# Altium PCB Steezy60SMK.PcbDoc (part 2 of 3)
Units mm, origin at the board's own origin, x right, y up, seen from the top; angles counter-clockwise.
Board outline 284.73 x 94.2 mm, 2 copper layers (Component Side, Bottom Layer), stack 1.571 mm thick; 204 components, 132 nets, 1159 pads, 251 vias.
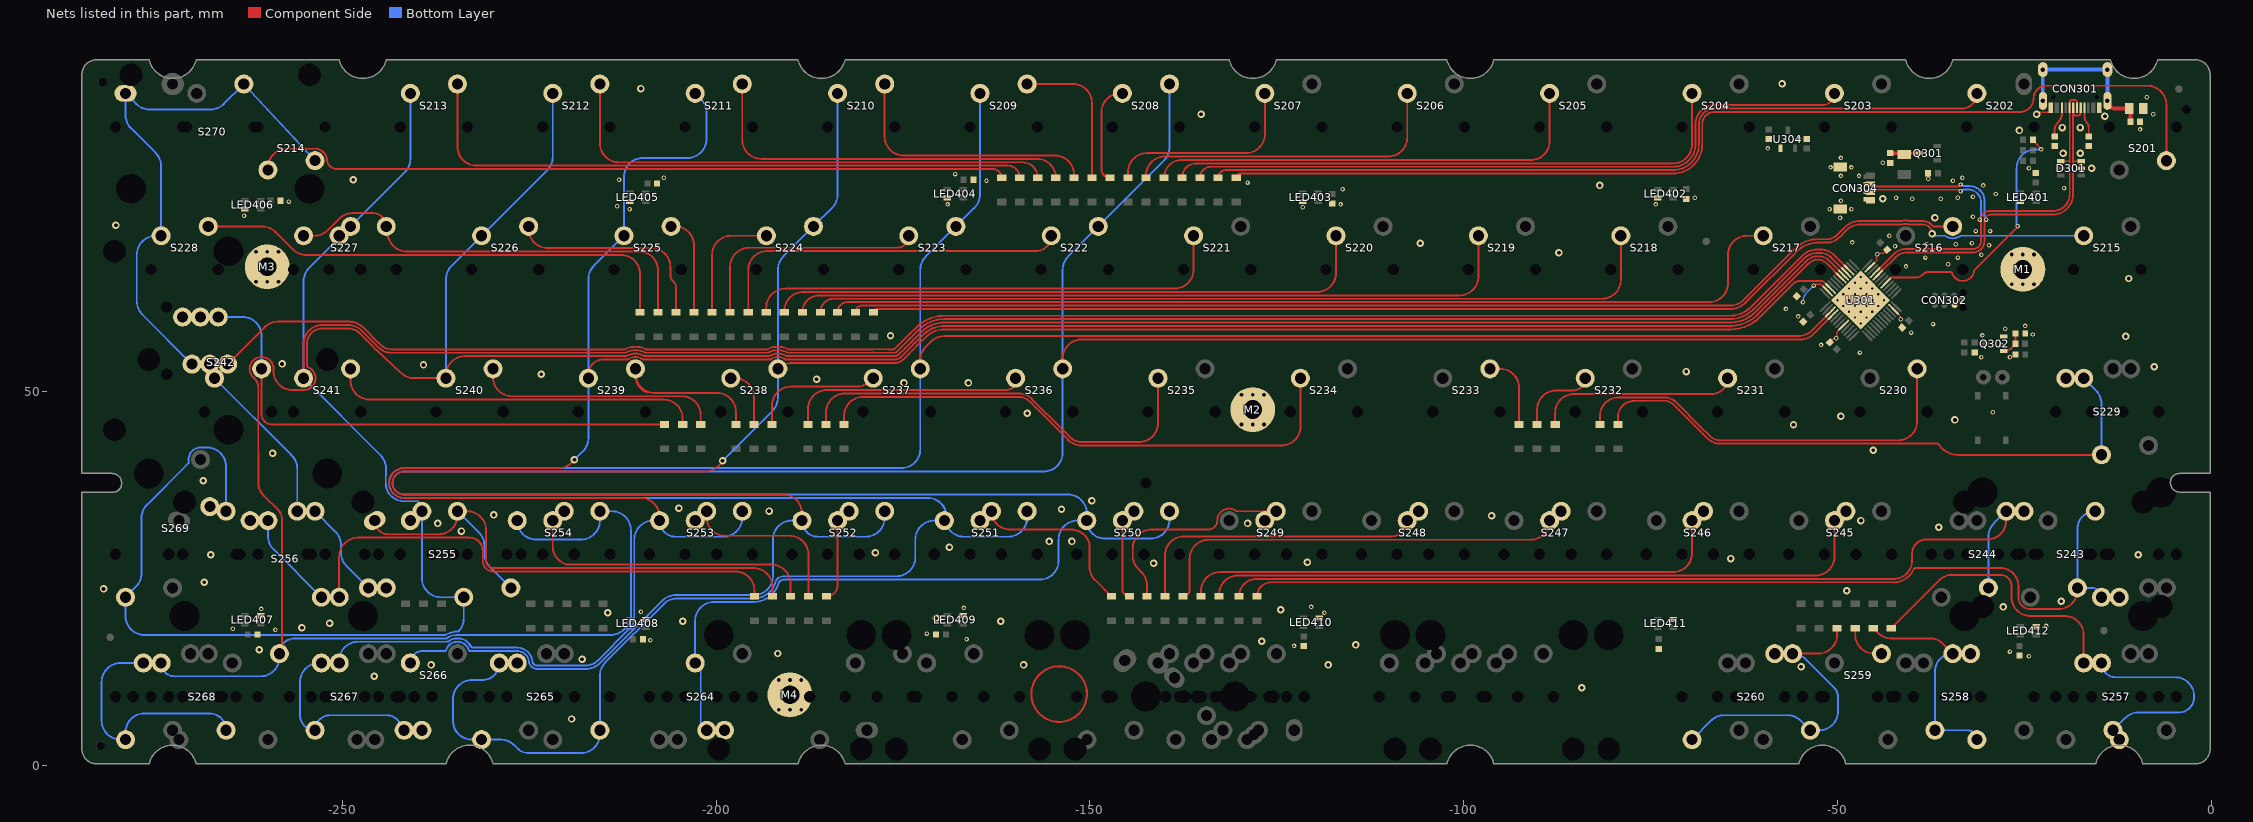
[diagram p2: the nets of this part, all layers, seen from the top]

## Via types
v1: diameter 0.6, hole 0.3, Component Side to Bottom Layer, tented both sides, 127 vias
v2: diameter 1, hole 0.5, Component Side to Bottom Layer, tented both sides, 99 vias
v3: diameter 0.6, hole 0.3, Component Side to Bottom Layer, tented bottom, 25 vias

## Nets (pads, with @x,y where several pads share a name; then routed paths per layer and width w, separated by ;. In a path a pad name is that pad's centre, name@x,y a point inside that pad or via, vN(x,y) a via of type N, cw(c..) or ccw(c..) an arc to the next point about the centre after c; other vN are vias at no path point) (continued)
col7: S208.2 S222.2 S236.2 S250.2 S264.2 U301.4 | length 441.5
  Component Side w0.254: S236.2@-153.638,53.065 -153.638,54.445 cw(c-151.098,54.445) -151.098,56.985 -147.447,56.985 -105.41,56.985 -103.505,56.985 -103.505,56.988 -54.973,56.988 ccw(c-54.973,59.528) -53.177,57.732 U301.4@-50.761,60.147
  Bottom Layer w0.254: S264.2@-201.263,4.715 -202.057,5.509 -202.057,12.972 S264.2@-202.8,13.715 -202.8,19.358 cw(c-200.26,19.358) -200.26,21.898 -194.945,21.898 ccw(c-194.945,25.346) -194.307,21.957 ccw(c-194.945,25.346) -192.355,23.07 ccw(c-194.945,25.346) -191.904,23.721 ; -192.071,23.442 ccw(c-194.945,25.346) -191.903,23.722 ccw(c-194.945,25.346) -191.761,24.022 cw(c-191.527,23.925) -191.748,24.05 ccw(c-192.142,24.275) -191.698,24.179 cw(c-191.45,24.125) -191.694,24.196 cw(c-191.45,24.125) -191.69,24.207 cw(c-191.45,24.125) -191.69,24.209 ccw(c-194.945,25.346) -191.616,24.449 cw(c-191.37,24.383) -191.585,24.519 cw(c-190.965,24.13) -190.965,24.862 -156.718,24.862 ccw(c-156.718,27.402) -156.483,24.873 ccw(c-156.718,27.402) -154.189,27.167 ccw(c-156.718,27.402) -154.178,27.402 -154.178,30.225 cw(c-151.638,30.225) -151.638,32.765 S250.2@-150.412,32.765 ; S208.2@-139.35,91.165 -139.35,82.692 cw(c-141.89,82.692) -140.094,80.896 S222.2@-148.875,72.115 -152.894,68.096 ccw(c-151.098,66.3) -153.638,66.3 S236.2@-153.638,53.065 -153.638,41.861 cw(c-156.178,41.861) -156.178,39.321 -241.75,39.321 ccw(c-241.75,37.79) -241.75,36.259 -152.952,36.259 cw(c-152.952,33.719) -150.412,33.719 S250.2@-150.412,32.765 ; S250.2@-139.35,34.015 -139.35,32.893 cw(c-141.89,32.893) -141.89,30.353 -148,30.353 cw(c-148,32.765) S250.2@-150.412,32.765
col8: S209.2 S223.2 S237.2 S251.2 S265.2 U301.3 | length 443.2
  Component Side w0.254: S237.2@-172.688,53.065 -172.688,54.253 cw(c-170.204,54.253) -171.96,56.009 -171.272,56.693 -171.27,56.695 cw(c-169.474,54.899) -169.474,57.439 -116.659,57.439 ccw(c-116.659,58.347) -116.594,57.441 cw(c-116.576,57.188) -116.574,57.442 -55.226,57.442 ccw(c-55.226,59.982) -53.43,58.186 U301.3@-51.115,60.501
  Bottom Layer w0.254: S265.2@-228.993,13.715 cw(c-231.278,13.715) -231.278,11.43 -232.664,11.43 ccw(c-232.664,8.89) -235.204,8.89 -235.204,6.005 ccw(c-232.664,6.005) -232.664,3.465 S265.2@-231.374,3.465 -228.799,3.465 cw(c-228.799,0.925) -227.003,2.721 -226.568,2.286 ccw(c-225.035,3.819) -225.035,1.651 -218.09,1.651 ccw(c-218.09,4.191) -215.55,4.191 S265.2@-215.55,4.715 -215.55,11.998 cw(c-213.01,11.998) -214.806,13.794 -206.946,21.653 cw(c-205.26,19.967) -205.26,22.352 -194.945,22.352 ccw(c-194.945,25.346) -192.943,23.119 ccw(c-194.945,25.346) -192.13,24.327 ; -192.142,24.275 cw(c-191.89,24.243) -192.13,24.327 ; -192.041,24.616 cw(c-194.945,25.346) -192.129,24.329 ccw(c-191.89,24.243) -192.13,24.327 ; -192.041,24.617 cw(c-191.795,24.554) -192.021,24.67 cw(c-190.965,24.13) -190.965,25.316 -175.895,25.316 ccw(c-175.895,27.856) -173.355,27.856 -173.355,30.225 cw(c-170.815,30.225) -170.815,32.765 S251.2@-169.462,32.765 S251.2@-169.462,32.512 ; S209.2@-164.7,89.915 -164.7,76.392 cw(c-167.24,76.392) -165.444,74.596 S223.2@-167.925,72.115 -171.944,68.096 ccw(c-170.148,66.3) -172.688,66.3 S237.2@-172.688,53.065 -172.688,42.315 cw(c-175.228,42.315) -175.228,39.775 -241.75,39.775 ccw(c-241.75,37.79) -241.75,35.805 -171.712,35.805 cw(c-171.712,33.265) -169.172,33.265 -169.172,33.055 -169.316,33.055 ccw(c-166.868,33.055) -166.868,30.607 -160.94,30.607 ccw(c-160.94,33.147) S251.2@-158.4,33.147 ; -158.4,32.512 S251.2@-158.4,33.147 ; S251.2@-158.4,34.015 S251.2@-158.4,33.147
col9: S210.2 S224.2 S238.2 S252.2 S266.2 U301.46 | length 386.9
  Component Side w0.254: v2@-199.009,40.767 -199.711,40.065 cw(c-201.507,41.861) -201.507,39.321 -241.75,39.321 ccw(c-241.75,37.79) -241.75,36.259 -191.052,36.259 cw(c-191.052,33.719) -189.103,35.348 cw(c-191.052,33.719) -188.512,33.719 S252.2@-188.512,32.765 ; S238.2@-191.738,53.065 -191.694,53.108 cw(c-189.898,51.312) -189.898,53.852 -179.24,53.852 ccw(c-179.24,54.106) -179.212,53.854 cw(c-178.987,51.815) -178.971,53.866 -176.91,53.852 -176.083,53.852 ccw(c-176.083,55.398) -174.991,54.304 -173.195,56.101 -173.087,56.208 cw(c-172.766,55.887) -172.985,56.285 ccw(c-173.108,56.507) -172.929,56.327 -171.905,57.344 cw(c-169.474,54.899) -171.758,57.482 cw(c-169.474,54.899) -169.474,58.347 -116.659,58.347 -116.639,58.349 cw(c-116.615,58.096) -116.614,58.35 -64.168,58.35 ccw(c-64.168,61.344) -63.66,58.393 cw(c-63.618,58.143) -63.651,58.395 ccw(c-64.365,64.068) -63.235,58.463 ccw(c-64.365,64.068) -61.009,59.438 ccw(c-64.365,64.068) -60.316,60.031 -55.855,64.491 cw(c-55.052,63.688) -55.724,64.604 ccw(c-55.875,64.808) -55.712,64.614 cw(c-55.307,64.135) -55.514,64.727 ccw(c-55.596,64.967) -55.498,64.733 cw(c-55.052,63.688) -55.052,64.824 -52.173,64.824 cw(c-52.173,64.286) -51.793,64.667 -51.127,64.001 U301.46@-51.115,64.001
  Bottom Layer w0.254: S266.2@-240.9,13.715 cw(c-239.303,13.715) -239.303,15.312 -236.351,15.312 ccw(c-236.351,15.566) -236.11,15.484 cw(c-234.6,14.965) -233.09,15.484 ccw(c-232.849,15.566) -232.849,15.312 -229.656,15.312 ; -229.655,15.312 -226.695,15.312 ccw(c-226.673,15.565) -226.664,15.311 cw(c-226.612,13.715) -226.612,15.312 cw(c-226.612,13.715) -225.068,14.124 cw(c-226.612,13.715) -225.016,13.768 ccw(c-224.762,13.777) -225.016,13.767 ccw(c-224.762,13.777) -225.002,13.694 ccw(c-223.901,14.081) -223.901,12.914 -217.467,12.914 ccw(c-217.467,15.664) -215.524,13.718 ccw(c-217.467,15.664) -215.521,13.721 -207.18,22.062 cw(c-205.384,20.266) -205.384,22.806 -194.945,22.806 ccw(c-194.945,25.346) -192.405,25.346 -192.405,30.225 cw(c-189.865,30.225) -189.865,32.765 S252.2@-188.512,32.765 ; v2(-199.136,40.767) -192.481,47.422 ccw(c-194.278,49.218) -191.738,49.218 S238.2@-191.738,53.065 -191.738,66.3 cw(c-189.198,66.3) -190.994,68.096 S224.2@-186.975,72.115 -184.494,74.596 ccw(c-186.29,76.392) -183.75,76.392 S210.2@-183.75,89.915 ; S252.2@-188.109,32.362 S252.2@-188.512,32.765 ; S252.2@-177.45,32.766 S252.2@-177.45,33.147 ; S252.2@-177.45,34.015 S252.2@-177.45,33.147 ; S252.2@-188.512,32.765 ccw(c-186.354,32.765) -187.651,31.04 ccw(c-186.354,32.765) -186.354,30.607 -179.99,30.607 ccw(c-179.99,33.147) S252.2@-177.45,33.147
col10: S211.2 S225.2 S239.2 S253.2 S267.2 U301.42 | length 403.8
  Component Side w0.254: v2(-218.948,40.894) -219.323,40.519 cw(c-221.119,42.315) -221.119,39.775 -241.75,39.775 ccw(c-241.75,37.79) -241.75,35.805 -210.102,35.805 cw(c-210.102,33.265) -207.562,33.265 S253.2@-207.562,32.765 ; S239.2@-217.087,51.815 -217.087,52.324 cw(c-215.105,52.324) -215.105,54.306 -211.879,54.306 ccw(c-211.879,54.56) -211.729,54.355 cw(c-210.788,53.065) -209.846,54.355 ccw(c-209.696,54.56) -209.696,54.306 -195.199,54.306 -195.064,54.306 -193.765,54.306 -192.829,54.306 ccw(c-192.829,54.56) -192.679,54.355 cw(c-191.738,53.065) -190.796,54.355 ccw(c-190.646,54.56) -190.646,54.306 -189.984,54.306 -189.23,54.306 -186.563,54.306 -179.264,54.306 ccw(c-179.264,54.56) -179.238,54.307 cw(c-178.987,51.815) -178.967,54.32 -176.908,54.306 -176.083,54.306 ccw(c-176.083,55.398) -175.311,54.626 -175.04,54.898 -173.952,55.985 -173.408,56.529 cw(c-172.766,55.887) -173.252,56.654 ccw(c-173.388,56.869) -173.209,56.688 -172.795,57.1 -172.225,57.666 cw(c-169.474,54.899) -171.493,58.238 cw(c-169.474,54.899) -169.474,58.801 -169.418,58.801 -169.418,58.804 -64.168,58.804 ccw(c-64.168,61.344) -63.728,58.842 cw(c-63.685,58.592) -63.717,58.844 ccw(c-64.365,64.068) -61.014,60.008 ccw(c-64.365,64.068) -60.638,60.351 -53.812,67.176 cw(c-52.621,65.985) -53.808,67.181 cw(c-52.621,65.985) -52.621,67.67 cw(c-52.621,65.985) -51.429,67.176 -50.425,66.172 -50.425,66.14 U301.42@-49.701,65.415
  Bottom Layer w0.254: S267.2@-252.806,13.715 -253.111,13.715 ccw(c-253.111,11.175) -255.651,11.175 -255.651,6.716 ccw(c-253.65,6.716) S267.2@-253.65,4.715 cw(c-251.633,4.715) -251.633,6.731 -244.078,6.731 cw(c-244.078,4.715) S267.2@-242.062,4.715 ; S267.2@-250.424,13.715 -250.424,14.022 cw(c-247.884,14.022) -247.884,16.562 -240.311,16.562 -235.974,16.562 ccw(c-235.974,16.816) -235.822,16.612 cw(c-234.6,14.965) -232.736,15.821 ccw(c-232.531,15.971) -232.681,15.766 -226.695,15.766 cw(c-226.695,15.312) -226.676,15.766 ccw(c-226.665,16.019) -226.66,15.765 cw(c-226.612,13.715) -226.612,15.766 cw(c-226.612,13.715) -225.065,15.062 cw(c-226.612,13.715) -224.566,13.86 ccw(c-224.313,13.878) -224.541,13.767 ccw(c-223.901,14.081) -224.121,13.403 -224.108,13.399 ccw(c-223.807,14.859) -223.807,13.368 -217.467,13.368 ccw(c-217.467,15.664) -215.844,14.041 -211.462,18.422 ; v2(-218.948,40.894) -217.831,42.011 ccw(c-219.627,43.807) -217.087,43.807 S239.2@-217.087,51.815 -217.087,65.05 cw(c-214.547,65.05) -216.344,66.846 S225.2@-212.325,70.865 -212.325,78.74 cw(c-209.785,78.74) -209.785,81.28 -203.835,81.28 ccw(c-203.835,83.82) -201.295,83.82 -201.295,87.358 ccw(c-203.835,87.358) -202.039,89.154 S211.2@-202.8,89.915 ; -211.462,18.423 ccw(c-212.705,19.665) -210.947,19.665 -210.947,30.225 cw(c-208.407,30.225) -208.407,32.765 S253.2@-207.562,32.765 ccw(c-205.404,32.765) -205.404,30.607 -199.04,30.607 ccw(c-199.04,33.147) -196.5,33.147 S253.2@-196.5,34.015 S253.2@-196.871,34.015
col11: S212.2 S226.2 S240.2 S254.2 S268.2 U301.41 | length 458.7
  Component Side w0.254: S268.2@-258.412,14.965 ccw(c-258.412,15.313) -258.064,15.313 -258.064,32.893 ccw(c-259.904,32.893) -258.603,34.194 -260.495,36.086 cw(c-258.699,37.882) -261.239,37.882 ccw(c-261.493,37.882) -261.239,37.884 -261.254,46.185 cw(c-258.26,46.19) -261.254,46.19 -261.254,50.623 ccw(c-262.868,50.623) -261.658,51.692 ccw(c-262.868,50.623) -261.727,51.764 cw(c-260.8,53.065) -261.931,54.193 cw(c-260.8,53.065) -261.928,54.196 cw(c-260.8,53.065) -261.177,54.617 cw(c-260.8,53.065) -260.8,54.662 cw(c-260.8,53.065) -259.672,54.196 cw(c-260.8,53.065) -259.669,54.193 cw(c-260.8,53.065) -259.203,53.065 cw(c-260.8,53.065) -259.204,53.002 ccw(c-258.95,52.993) -259.204,52.983 -259.204,52.758 ccw(c-256.665,52.758) -259.106,52.058 ccw(c-256.665,52.758) -259.105,52.055 ccw(c-256.665,52.758) -256.665,50.218 -255.218,50.218 ccw(c-255.187,51.815) -254.903,50.243 ccw(c-255.187,51.815) -254.06,50.684 ; -254.68,50.301 ccw(c-255.187,51.815) -253.948,52.822 ; -253.948,52.822 ccw(c-255.187,51.815) -254.571,53.288 cw(c-254.473,53.522) -254.723,53.482 cw(c-253.948,53.608) -254.733,53.608 -254.733,56.388 cw(c-252.647,56.388) -254.587,57.157 cw(c-252.647,56.388) -252.647,58.474 -249.21,58.474 cw(c-249.21,56.388) -248.057,58.126 cw(c-249.21,56.388) -247.734,57.862 -246.003,56.13 -245.509,55.637 ccw(c-243.392,57.754) -245.42,55.551 -242.179,52.568 cw(c-242.35,52.38) -242.17,52.559 ccw(c-240.374,54.355) -240.374,51.815 S240.2@-236.137,51.815 -236.137,52.22 cw(c-233.597,52.22) -233.597,54.76 -212.018,54.76 ccw(c-212.018,55.014) -211.882,54.799 cw(c-210.788,53.065) -209.693,54.799 ccw(c-209.557,55.014) -209.557,54.76 -195.199,54.76 -194.945,54.76 -193.689,54.76 -192.968,54.76 ccw(c-192.968,55.014) -192.832,54.799 cw(c-191.738,53.065) -190.643,54.799 ccw(c-190.507,55.014) -190.507,54.76 -189.786,54.76 -189.385,54.76 -188.595,54.76 -179.286,54.76 ccw(c-179.286,55.014) -179.262,54.761 cw(c-178.987,51.815) -178.964,54.774 -176.907,54.76 -176.083,54.76 ccw(c-176.083,55.398) -175.632,54.948 -174.662,55.917 -173.727,56.852 cw(c-172.766,55.887) -173.533,57.013 ccw(c-173.676,57.223) -173.497,57.042 -173.116,57.421 ; -173.116,57.421 -172.831,57.704 ; -172.83,57.705 -172.544,57.989 cw(c-169.474,54.899) -171.282,58.862 cw(c-169.474,54.899) -169.483,59.255 ccw(c-169.483,59.509) -169.46,59.256 cw(c-169.418,58.804) -169.418,59.258 -64.365,59.258 ; -61.174,60.469 cw(c-64.365,64.068) -64.365,59.258 ; -54.275,67.356 -54.235,67.396 ; U301.41@-49.347,65.769 -51.098,67.52 ccw(c-52.556,66.062) -52.556,68.124 ccw(c-52.556,66.664) -52.583,68.124 cw(c-52.586,68.378) -52.588,68.124 ccw(c-52.621,65.985) -52.621,68.124 ccw(c-52.621,65.985) -54.134,67.496 -54.235,67.396 ; -64.365,59.258 ccw(c-64.365,64.068) -61.319,60.346 ccw(c-64.365,64.068) -60.96,60.671 -54.43,67.201 -54.294,67.337 -54.235,67.396
  Bottom Layer w0.254: S268.2@-276.618,13.715 -279.654,13.715 ccw(c-279.654,11.175) -281.182,13.204 ccw(c-279.654,11.175) -281.683,12.703 ccw(c-279.654,11.175) -282.194,11.175 -282.194,6.005 ccw(c-279.654,6.005) -279.654,3.465 S268.2@-278.999,3.465 -278.999,4.445 cw(c-276.459,4.445) -276.459,6.985 -267.826,6.985 cw(c-267.826,4.715) S268.2@-265.556,4.715 ; S268.2@-274.237,13.715 ccw(c-272.46,13.715) -272.46,11.938 -260.952,11.938 ccw(c-260.952,14.478) -258.412,14.478 S268.2@-258.412,14.965 cw(c-256.361,14.965) -256.361,17.016 -240.5,17.016 -236.116,17.016 ccw(c-236.116,17.27) -235.977,17.058 cw(c-234.6,14.965) -234.57,17.47 -214.108,17.47 ccw(c-214.108,20.01) -212.312,18.214 -211.786,18.741 -211.783,18.743 ccw(c-212.705,19.665) -211.444,19.334 ccw(c-212.705,19.665) -211.401,19.665 -211.401,31.475 ccw(c-213.941,31.475) -213.941,34.015 S254.2@-215.55,34.015 -215.55,32.766 cw(c-218.09,32.766) -216.535,30.757 cw(c-218.09,32.766) -218.09,30.226 -224.073,30.226 cw(c-224.073,32.765) S254.2@-226.612,32.765 ; S240.2@-236.219,51.815 S240.2@-236.137,51.815 -236.137,65.05 cw(c-233.597,65.05) -235.394,66.846 S226.2@-231.375,70.865 -222.594,79.646 ccw(c-224.39,81.442) -221.85,81.442 S212.2@-221.85,89.915 S212.2@-221.2,89.915
col12: S213.2 S227.2 S241.2 S255.2 S269.2 U301.40 | length 394.8
  Component Side w0.254: S241.2@-255.187,51.815 -255.187,56.388 cw(c-252.647,56.388) -252.647,58.928 -249.21,58.928 cw(c-249.21,56.388) -247.414,58.184 -245.188,55.958 ccw(c-243.392,57.754) -243.392,55.214 -218.059,55.214 -212.143,55.214 ccw(c-212.143,55.468) -212.018,55.247 cw(c-210.788,53.065) -209.557,55.247 ccw(c-209.432,55.468) -209.432,55.214 -196.215,55.214 -195.199,55.214 -193.093,55.214 ccw(c-193.093,55.468) -192.968,55.247 cw(c-191.738,53.065) -190.507,55.247 ccw(c-190.382,55.468) -190.382,55.214 -187.198,55.214 -183.642,55.214 -183.642,55.218 -179.264,55.218 ccw(c-179.264,55.472) -179.245,55.218 cw(c-178.987,51.815) -178.961,55.228 -177.417,55.218 -176.905,55.214 -176.112,55.214 ccw(c-176.112,55.468) -175.933,55.289 -175.237,55.984 -174.048,57.173 cw(c-172.766,55.887) -174.002,57.217 cw(c-172.766,55.887) -173.821,57.366 ccw(c-173.968,57.572) -173.789,57.392 -173.183,57.994 -172.861,58.314 cw(c-169.474,54.899) -169.492,59.709 cw(c-169.418,58.804) -169.418,59.712 -64.365,59.712 ccw(c-64.365,64.068) -61.281,60.991 -54.439,67.834 cw(c-52.643,66.038) -52.643,68.578 -52.356,68.578 cw(c-52.356,66.389) -50.808,67.937 U301.40@-48.994,66.122
  Bottom Layer w0.254: S269.2@-265.556,34.015 -265.556,39.997 ccw(c-268.096,39.997) -268.096,42.537 -268.732,42.537 cw(c-268.796,42.783) -268.819,42.53 ccw(c-268.969,40.94) -268.969,42.537 ccw(c-268.969,40.94) -270.539,40.647 cw(c-270.788,40.601) -270.609,40.421 -270.895,40.136 -276.116,34.914 ccw(c-274.32,33.118) -276.86,33.118 -276.86,25.707 cw(c-279.4,25.707) -277.604,23.911 S269.2@-279,22.515 -279,20.01 ccw(c-276.46,20.01) -276.46,17.47 -243.515,17.47 -236.247,17.47 ccw(c-236.247,17.724) -236.116,17.506 cw(c-234.6,14.965) -234.579,17.924 ccw(c-234.577,18.178) -234.387,18.01 ccw(c-236.296,19.685) -233.756,19.685 S255.2@-233.756,22.515 -236.823,22.515 cw(c-236.823,25.055) -239.363,25.055 S255.2@-239.363,34.015 ccw(c-241.288,34.015) -239.82,35.261 ccw(c-240.014,35.097) -240.015,35.351 -241.75,35.351 cw(c-241.75,37.79) -242.313,35.417 cw(c-241.75,37.79) -244.189,37.816 ; -244.168,37.472 cw(c-241.75,37.79) -244.189,37.816 ; S255.2@-240.9,32.765 S255.2@-240.284,32.149 ; S213.2@-240.9,89.915 -240.9,81.155 cw(c-243.44,81.155) -241.644,79.359 S227.2@-248.888,72.115 -254.444,66.559 ccw(c-252.647,64.763) -255.187,64.763 S241.2@-255.187,51.815 -244.912,41.54 cw(c-246.708,39.744) -244.602,41.163 cw(c-246.708,39.744) -244.168,39.744 cw(c-244.422,39.744) -244.168,39.74 -244.17,39.583 -244.189,37.816
col13: S214.2 S228.2 S242.2 S256.2 S270.2 U301.39 | length 341.8
  Component Side w0.254: S228.2@-274.237,70.865 -273.937,70.565 S228.2@-273.937,70.102 ; S242.2@-267.73,53.235 S242.2@-267.73,53.695 ; S242.2@-267.1,51.815 -265.349,53.566 S242.2@-265.349,53.695 -260.406,58.638 cw(c-258.61,56.842) -258.61,59.382 -249.21,59.382 cw(c-249.21,56.388) -248.583,59.316 cw(c-249.21,56.388) -247.298,58.692 cw(c-249.21,56.388) -247.092,58.504 -245.106,56.519 -244.865,56.277 ccw(c-243.392,57.754) -243.392,55.668 -236.982,55.668 -212.257,55.668 ccw(c-212.257,55.922) -212.141,55.696 cw(c-210.788,53.065) -209.434,55.696 ccw(c-209.318,55.922) -209.318,55.668 -206.121,55.668 -195.58,55.668 -194.647,55.668 -194.035,55.668 -193.207,55.668 ccw(c-193.207,55.922) -193.091,55.696 cw(c-191.738,53.065) -190.384,55.696 ccw(c-190.268,55.922) -190.268,55.668 -189.44,55.668 -188.214,55.668 -183.712,55.668 ccw(c-183.712,55.922) -183.687,55.669 cw(c-183.642,55.218) -183.642,55.672 -179.281,55.672 ccw(c-179.281,55.926) -179.263,55.672 cw(c-178.987,51.815) -178.957,55.682 -176.904,55.668 -176.3,55.668 ccw(c-176.3,55.922) -176.121,55.743 -175.554,56.31 -174.369,57.494 cw(c-172.766,55.887) -174.113,57.715 ccw(c-174.263,57.919) -174.084,57.739 -173.181,58.636 cw(c-169.474,54.899) -171.848,59.597 cw(c-169.474,54.899) -169.517,60.163 ccw(c-169.519,60.417) -169.503,60.163 cw(c-169.418,58.804) -169.418,60.166 -64.365,60.166 ccw(c-64.365,64.068) -61.603,61.312 -54.761,68.154 cw(c-52.643,66.038) -54.759,68.156 cw(c-52.643,66.038) -52.643,69.032 -52.245,69.032 cw(c-52.245,66.5) -50.455,68.291 ; -50.455,68.29 U301.39@-48.64,66.476
  Bottom Layer w0.254: S242.2@-270.111,53.695 -276.751,60.335 cw(c-274.955,62.131) -277.37,61.345 cw(c-274.955,62.131) -277.495,62.131 -277.495,68.325 cw(c-274.955,68.325) -274.955,70.865 S228.2@-274.237,70.865 -274.237,80.145 ccw(c-276.777,80.145) -274.981,81.941 -278.256,85.216 cw(c-276.46,87.012) -279,87.012 S270.2@-279,89.915 -277.586,88.501 ccw(c-275.79,90.297) -275.79,87.757 -267.635,87.757 ccw(c-267.635,90.297) -265.839,88.501 S270.2@-263.175,91.165 S214.2@-253.65,80.915 ; S242.2@-267.752,51.163 S242.2@-267.1,51.815 -256.774,41.489 cw(c-258.57,39.693) -256.03,39.693 S256.2@-256.03,34.015 ; S242.2@-266.641,52.015 -266.484,52.038 -266.441,52.045 S242.2@-266.437,52.045 ; S256.2@-253.649,34.015 -250.934,31.3 cw(c-252.73,29.504) -250.19,29.504 -250.19,28.502 ccw(c-247.65,28.502) -249.446,26.706 S256.2@-246.505,23.765
D_N: CON301.A7 CON301.B7 CON304.2 D301.3 U301.32 | length 67.4
  Component Side w0.254: CON304.2@-45.625,77.75 -45.342,77.75 cw(c-45.342,77.287) -45.014,77.614 ccw(c-44.687,77.942) -44.687,77.479 -33.773,77.479 ccw(c-33.773,77.724) v1(-33.528,77.724) ; U301.32@-44.433,65.769 -44.433,65.781 -44.003,66.211 -44.003,66.229 -42.281,67.951 cw(c-40.64,66.311) -40.64,68.631 -31.877,68.631 ccw(c-31.877,70.155) -30.353,70.155 -30.353,72.822 cw(c-29.464,72.822) -29.464,73.711 -21.209,73.711 ccw(c-21.209,76.448) -18.471,76.448 -18.471,80.899 ; CON301.A7@-18.471,87.948 -18.471,80.899 ; CON301.A7@-18.45,88 cw(c-18.681,87.894) -18.427,87.894 -18.427,87.275 ccw(c-18.1,87.275) -18.1,86.948 -17.8,86.948 ccw(c-17.8,87.275) -17.473,87.275 -17.473,87.894 cw(c-17.219,87.894) CON301.B7@-17.45,88 ; D301.3@-17.355,80.833 -18.405,80.833 cw(c-18.405,80.899) -18.471,80.899
  Bottom Layer w0.254: v1(-33.528,77.724) cw(c-33.528,77.498) -33.368,77.658 ccw(c-33.007,78.019) -33.007,77.508 -32.296,77.508 cw(c-32.296,75.527) -30.315,75.527 -30.315,73.546 ccw(c-29.804,73.546) -30.165,73.185 cw(c-30.325,73.025) v1(-30.099,73.025)
D_P: CON301.A6 CON301.B6 CON304.3 D301.4 U301.33 | length 66.1
  Component Side w0.254: CON304.3@-45.625,76.75 -45.342,76.75 ccw(c-45.342,77.213) -45.014,76.886 cw(c-44.687,76.558) -44.687,77.021 -33.714,77.021 cw(c-33.714,76.835) v1(-33.528,76.835) ; U301.33@-44.786,66.122 -44.774,66.122 -44.344,66.552 -44.326,66.552 -42.47,68.408 cw(c-40.829,66.768) -40.829,69.088 -31.877,69.088 ccw(c-31.877,70.155) -30.81,70.155 v1@-30.81,72.822 ; v1@-30.81,73.011 cw(c-29.653,73.011) -30.769,73.317 cw(c-29.653,73.011) -29.653,74.168 -21.209,74.168 ccw(c-21.209,76.448) -18.929,76.448 -18.929,80.772 ; D301.4@-20.105,80.833 -18.99,80.833 cw(c-18.99,80.772) -18.929,80.772 ; CON301.B6@-18.95,88 ccw(c-19.181,88.106) -18.927,88.107 -18.927,88.725 cw(c-18.6,88.725) -18.6,89.052 -18.3,89.052 cw(c-18.3,88.725) -17.973,88.725 -17.973,88.106 ccw(c-17.719,88.106) CON301.A6@-17.95,88 ; CON301.B6@-18.929,87.948 -18.929,80.772
  Bottom Layer w0.254: v1(-33.528,76.835) ccw(c-33.528,77.061) -33.368,76.901 cw(c-33.007,76.54) -33.007,77.051 -32.536,77.051 cw(c-32.536,75.287) -30.772,75.287 -30.772,73.546 cw(c-31.283,73.546) -30.922,73.185 ccw(c-30.762,73.025) v1(-30.988,73.025)
GND: C301.1 C302.1 C303.1 C304.1 C305.1 C306.1 C307.1 C308.1 C310.2 C312.1 C401.1 C402.1 C403.1 C404.1 C405.1 C406.1 C407.1 C408.1 C409.1 C410.1 C411.1 C412.1 CON301.A1B12 CON301.B1A12 CON302.5 CON304.4 CON304.5 D301.2 L301.1 LED401.3 LED402.3 LED403.3 LED404.3 LED405.3 LED406.3 LED407.3 LED408.3 LED409.3 LED410.3 LED411.3 LED412.3 M1.1 M2.1 M3.1 M4.1 Q302.2 R301.2 R302.2 R304.2 R305.2 R307.2 U301.8 U301.23 U301.35 U301.47 U304.1 | length 52.7
  Component Side w0.203: v1(-53.168,64.197) cw(c-52.689,63.718) -53.078,64.273 cw(c-52.689,63.718) -52.689,64.395 -52.414,64.395 cw(c-52.414,63.918) -52.077,64.256 ; -52.077,64.255 U301.47@-51.469,63.648 ; C302.1@-51.006,56.594 v1@-50.307,57.292 ; v1(-50.165,57.15) ccw(c-50.391,57.376) -50.071,57.376 -50.071,57.771 cw(c-49.516,57.771) -49.909,58.163 ; -49.909,58.164 -49.347,58.725 U301.8@-49.347,58.733 ; U301.35@-45.493,66.83 -44.765,67.558 -44.765,68.066 -44.784,68.085 ; v1(-44.674,68.384) -44.567,68.384 -44.405,68.547 -43.818,68.547 C303.1@-43.355,69.009 ; U301.23@-42.311,60.855 -41.799,60.342 cw(c-42.451,59.69) v1(-41.529,59.69) ; CON302.5@-34.337,61.595 -34.25,61.595 -33.615,62.23 v1(-33.528,62.23) ; v2(-23.368,87.122) -23.152,87.122 -22.898,87.377 -21.648,87.377 -21.45,87.575 CON301.B1A12@-21.45,88
  Component Side w0.254: CON301.B1A12@-21.605,88.5 CON301.B1A12@-21.45,88.5 ; CON301.A1B12@-14.95,88.5 CON301.A1B12@-14.795,88.5
  Component Side w0.279: -150.392,9.68 cw(c-154.11,9.556) -150.392,9.694
  Bottom Layer w0.203: v1(-54.61,61.976) cw(c-52.729,61.976) -54.059,63.306 v1(-53.168,64.197)
  Bottom Layer w0.254: v3(-49.223,61.473) v3(-46.112,64.584) ; v3(-48.446,60.695) v3(-45.334,63.807) ; v3(-46.89,65.362) v3(-46.112,64.584) ; v3(-43.779,62.251) v3(-45.334,63.807) ; v3(-46.112,64.584) v3(-45.334,63.807)
  other v1: -24.384,14.605 -26.924,15.24 -122.682,16.002 -208.788,16.764 -166.497,16.891 -171.831,17.653 -258.953,18.161 -264.668,18.288 -22.098,18.669 -208.28,19.304 -118.618,20.447 -210.058,20.574 -260.858,20.955 -166.878,21.082 -120.396,21.209 -29.21,47.244 -30.734,54.61 -26.924,54.61 -46.99,55.245 -52.197,56.261 -28.067,56.261 -30.607,57.531 -23.876,57.658 -40.132,57.912 -27.559,58.42 -24.892,58.801 -37.211,59.055 -55.245,60.071 -56.896,61.087 -40.829,66.768 -35.179,67.056 -38.227,67.945 -33.909,67.945 -30.734,68.326 -42.291,69.469 -29.718,69.596 -38.1,69.723 -34.163,69.723 -32.004,69.85 -48.006,69.977 -43.053,70.866 -31.496,71.501 -29.591,71.501 -49.657,73.279 -31.877,73.406 -263.144,73.533 -211.582,74.422 -51.054,74.422 -48.133,74.422 -121.539,74.676 -213.233,74.803 -169.037,75.057 -116.459,75.057 -74.295,75.057 -257.175,75.438 -49.53,75.565 -40.005,75.819 -36.195,75.819 -69.088,75.946 -42.164,75.946 -33.909,75.946 -31.877,76.073 -28.829,76.454 -47.117,76.962 -116.205,77.089 -19.685,77.216 -30.48,77.597 -128.905,77.978 -163.83,78.232 -34.544,78.232 -212.979,78.359 -37.846,78.486 -207.01,78.613 -33.274,78.613 -49.53,78.867 -47.117,78.867 -168.021,79.121 -24.384,79.883 -50.927,80.01 -48.133,80.01 -43.942,80.645 -49.53,81.28 -59.309,82.55 -55.118,83.82 -9.525,85.09 -7.747,87.122 -8.636,89.408
  other v2: -219.329,6.223 -84.201,10.414 -245.745,11.938 -54.864,13.208 -238.125,13.462 -158.877,13.462 -118.11,13.462 -217.932,14.224 -191.77,14.986 -261.112,15.494 -114.427,16.129 -127,16.637 -255.397,18.415 -251.714,19.05 -204.47,19.304 -161.925,19.304 -170.561,19.685 -214.503,20.447 -124.46,20.828 -27.813,21.209 -20.066,21.971 -48.768,23.368 -281.94,23.622 -268.478,24.511 -141.478,27.051 -120.904,27.178 -64.262,27.686 -267.589,28.194 -9.779,28.194 -178.689,28.448 -168.783,29.21 -155.448,29.972 -152.4,29.972 -234.061,31.369 -36.449,31.877 -237.236,32.385 -128.905,32.385 -46.863,32.766 -96.266,33.401 -229.743,33.528 -192.913,34.036 -153.797,34.29 -204.978,34.417 -149.733,35.433 -268.605,38.1 -259.334,41.783 -45.212,42.164 -55.88,45.593 -34.29,46.228 -49.53,46.736 -158.369,47.117 -174.879,51.181 -166.243,51.181 -186.563,51.689 -223.393,52.324 -70.231,52.705 -7.62,53.34 -239.141,53.594 -258.064,53.721 -11.43,57.404 -176.673,57.501 -11.049,65.151 -87.249,68.58 -105.791,69.85 -280.289,72.263 -36.957,73.279 -43.942,75.819 -81.788,77.597 -248.539,78.359 -16.002,79.883 -19.812,81.915 -17.526,81.915 -25.654,84.963 -19.939,85.344 -17.526,85.344 -14.224,86.868 -135.128,87.122 -210.058,90.551 -57.404,91.186
  other v3: -46.89,59.14 -47.668,59.917 -46.112,59.917 -46.89,60.695 -45.334,60.695 -47.668,61.473 -46.112,61.473 -44.557,61.473 -50.001,62.251 -48.446,62.251 -46.89,62.251 -45.334,62.251 -49.223,63.029 -47.668,63.029 -46.112,63.029 -44.557,63.029 -48.446,63.807 -46.89,63.807 -47.668,64.584
LED: R308.2 U301.29 | length 36.1
  Component Side w0.254: U301.29@-43.372,64.708 U301.29@-43.372,64.708 -42.794,65.288 -42.029,65.288 -42.019,65.278 -39.528,65.278 ccw(c-39.528,66.579) -38.608,65.659 cw(c-37.688,64.739) -37.688,66.04 -34.912,66.04 cw(c-34.913,65.786) -34.705,65.931 -34.684,65.901 ccw(c-33.225,66.365) -31.714,66.12 ; -31.714,66.121 ccw(c-33.225,66.365) -31.705,66.183 cw(c-31.453,66.151) -31.685,66.255 cw(c-31.386,66.12) -31.618,66.352 -25.908,72.062 v1(-25.908,72.136) ; R308.2@-23.861,83.693 -23.588,83.395 v1(-22.733,82.423)
  Bottom Layer w0.254: v1(-25.908,72.136) cw(c-25.908,72.263) -26.035,72.263 -26.035,79.883 cw(c-23.495,79.883) -23.495,82.423 v1(-22.733,82.423) v1@-22.733,82.329
NetC306_2: C306.2 F301.1 Q301.3 | length 3.9
  Component Side w0.5: C306.2@-42.926,81.93 -42.926,81.915 Q301.3@-39.046,81.915
NetC309_2: C309.2 Q302.1 R305.1 | length 3.3
  Component Side w0.254: Q302.1@-27.76,55.466 -27.617,55.466 ccw(c-27.617,56.7) -27.031,55.614 ccw(c-27.617,56.7) -26.744,55.827 -26.181,56.391 C309.2@-26.181,56.416 -26.177,56.419 R305.1@-26.177,57.785
NetC312_2: C312.2 CON301.S1 L301.2 | length 22.2
  Component Side w0.5: CON301.S1@-13.88,88.915 ccw(c-12.849,88.915) -12.849,87.884 L301.2@-10.953,87.884 cw(c-10.953,87.741) -10.81,87.741 C312.2@-10.81,86.106
  Bottom Layer w0.5: CON301.S1@-22.52,88.915 CON301.S1@-22.52,93.095 CON301.S1@-14.097,93.095 ; CON301.S1@-13.88,88.915 CON301.S1@-13.88,93.095
NetCON301_A5: CON301.A5 R301.1 | length 4.4
  Component Side w0.254: CON301.A5@-16.95,88.5 CON301.A5@-16.95,88 -16.95,86.723 ccw(c-15.982,86.723) -16.667,86.039 ; -16.666,86.038 cw(c-17.351,85.354) -16.383,85.354 R301.1@-16.383,84.231
NetCON301_B5: CON301.B5 R302.1 | length 4.6
  Component Side w0.254: R302.1@-20.955,84.216 -20.955,84.907 cw(c-19.287,84.907) -20.466,86.087 -20.447,86.106 ccw(c-21.647,87.306) -19.95,87.306 CON301.B5@-19.95,88 CON301.B5@-19.95,88.5
NetD201_1: D201.1 S201.1 | length 141.5
  Component Side w0.254: D201.1@-130.429,78.635 cw(c-129.873,78.635) -129.873,79.191 -74.803,79.191 -71.99,79.191 ccw(c-71.99,83.093) -70.164,79.644 ccw(c-71.99,83.093) -68.666,81.05 ccw(c-71.99,83.093) -68.088,83.093 -68.088,85.798 cw(c-66.456,85.798) -67.913,86.534 cw(c-66.456,85.798) -67.314,87.186 cw(c-67.181,86.97) -67.273,87.207 ccw(c-67.437,87.63) -67.176,87.259 cw(c-67.03,87.051) -67.135,87.282 cw(c-66.456,85.798) -66.456,87.43 -25.6,87.43 ccw(c-25.6,89.281) -23.749,89.281 cw(c-22.098,89.281) -22.098,90.932 -14.84,90.932 -8.54,90.932 cw(c-8.54,88.392) -6,88.392 S201.1@-6,80.915
NetD202_1: D202.1 S202.1 | length 109.1
  Component Side w0.254: D202.1@-132.842,78.635 cw(c-131.832,78.635) -131.832,79.645 -71.99,79.645 ccw(c-71.99,83.093) -69.647,80.563 ccw(c-71.99,83.093) -68.542,83.093 -68.542,85.798 cw(c-66.456,85.798) -67.498,87.605 cw(c-67.372,87.384) -67.437,87.63 cw(c-67.268,87.44) -67.38,87.668 cw(c-66.456,85.798) -66.456,87.884 -51.977,87.884 ; -51.938,87.884 cw(c-51.977,89.915) -51.977,87.884 ; S202.1@-31.35,89.915 cw(c-33.381,89.915) -33.381,87.884 -51.977,87.884
NetD203_1: D203.1 S203.1 | length 92.5
  Component Side w0.254: D203.1@-135.255,78.635 cw(c-133.791,78.635) -133.791,80.099 -71.99,80.099 ccw(c-71.99,83.093) -69.163,82.107 ccw(c-71.99,83.093) -68.996,83.093 -68.996,85.798 cw(c-66.456,85.798) -66.456,88.338 -51.977,88.338 ccw(c-51.977,89.915) S203.1@-50.4,89.915
NetD204_1: D204.1 S204.1 | length 77.6
  Component Side w0.254: D204.1@-137.668,78.635 cw(c-135.75,78.635) -135.75,80.553 -71.99,80.553 ccw(c-71.99,83.093) -69.45,83.093 S204.1@-69.45,89.915
NetD205_1: D205.1 S205.1 | length 60.8
  Component Side w0.254: D205.1@-140.081,78.635 cw(c-137.709,78.635) -137.709,81.007 -91.04,81.007 ccw(c-91.04,83.547) -88.5,83.547 S205.1@-88.5,89.915
NetD206_1: D206.1 S206.1 | length 44
  Component Side w0.254: D206.1@-142.494,78.635 -142.494,78.921 cw(c-139.954,78.921) -139.954,81.461 -110.09,81.461 ccw(c-110.09,84.001) -107.55,84.001 S206.1@-107.55,89.915
NetD207_1: D207.1 S207.1 | length 27.4
  Component Side w0.254: D207.1@-144.907,78.635 -144.907,79.375 cw(c-142.367,79.375) -142.367,81.915 -129.14,81.915 ccw(c-129.14,84.455) -126.6,84.455 S207.1@-126.6,89.915
NetD208_1: D208.1 S208.1 | length 13.7
  Component Side w0.254: D208.1@-147.32,78.635 cw(c-147.32,79.778) -148.463,79.778 -148.463,87.375 cw(c-145.923,87.375) -145.923,89.915 S208.1@-145.65,89.915
NetD209_1: D209.1 S209.1 | length 20.1
  Component Side w0.254: S209.1@-158.4,91.165 -152.273,91.165 cw(c-152.273,88.625) -149.733,88.625 D209.1@-149.733,78.635
NetD210_1: D210.1 S210.1 | length 35.7
  Component Side w0.254: S210.1@-177.45,91.165 -177.45,84.147 ccw(c-174.91,84.147) -174.91,81.607 -154.686,81.607 cw(c-154.686,79.067) -152.146,79.067 D210.1@-152.146,78.635
NetD211_1: D211.1 S211.1 | length 52.3
  Component Side w0.254: S211.1@-196.5,91.165 -196.5,83.693 ccw(c-193.96,83.693) -193.96,81.153 -157.077,81.153 cw(c-157.077,78.635) D211.1@-154.559,78.635
NetD212_1: D212.1 S212.1 | length 69.1
  Component Side w0.254: S212.1@-215.55,91.165 -215.55,83.239 ccw(c-213.01,83.239) -213.01,80.699 -159.036,80.699 cw(c-159.036,78.635) D212.1@-156.972,78.635
NetD213_1: D213.1 S213.1 | length 86
  Component Side w0.254: S213.1@-234.6,91.165 -234.6,82.785 ccw(c-232.06,82.785) -232.06,80.245 -160.995,80.245 cw(c-160.995,78.635) D213.1@-159.385,78.635
NetD214_1: D214.1 S214.1 | length 102.1
  Component Side w0.254: S214.1@-259.95,79.665 -259.95,79.972 cw(c-257.41,79.972) -257.41,82.512 -253.683,82.512 ccw(c-253.683,82.766) -253.679,82.512 ; -253.62,82.512 ccw(c-253.65,80.915) -253.678,82.512 cw(c-253.65,80.915) -252.069,81.139 ; -252.069,81.138 cw(c-253.65,80.915) -252.053,80.951 ccw(c-251.799,80.957) -252.053,80.949 ccw(c-251.799,80.957) -252.05,80.916 ccw(c-250.721,81.139) -250.722,79.791 ; -250.721,79.791 -249.301,79.791 -222.92,79.791 -162.954,79.791 cw(c-162.954,78.635) D214.1@-161.798,78.635
NetD215_1: D215.1 S215.2 | length 167.3
  Component Side w0.254: D215.1@-178.943,60.635 cw(c-178.504,60.635) -178.504,61.074 -64.365,61.074 ccw(c-64.365,64.068) -62.247,61.952 -55.404,68.795 cw(c-52.643,66.038) -55.399,68.8 cw(c-52.643,66.038) -52.894,69.932 ccw(c-52.911,70.185) -52.891,69.932 cw(c-52.705,67.738) -52.705,69.94 -51.508,69.94 ccw(c-51.508,72.48) -49.712,70.684 -48.75,71.646 cw(c-46.954,69.85) -46.954,72.39 -41.386,72.39 ccw(c-41.386,72.644) -41.316,72.4 cw(c-40.875,70.865) -40.434,72.4 ccw(c-40.364,72.644) -40.364,72.39 -38.608,72.39 cw(c-38.608,71.12) v2(-37.338,71.12)
  Bottom Layer w0.254: v2(-37.338,71.12) ccw(c-37.083,71.12) -37.083,70.865 -35.655,70.865 cw(c-35.654,70.611) -35.506,70.817 ccw(c-34.575,72.115) -33.644,70.817 cw(c-33.496,70.611) -33.495,70.865 S215.2@-17.062,70.865
NetD216_1: D216.1 S216.1 | length 151.9
  Component Side w0.254: D216.1@-181.356,60.635 cw(c-180.463,60.635) -180.463,61.528 -64.365,61.528 ccw(c-64.365,64.068) -62.569,62.272 -55.726,69.115 cw(c-52.643,66.038) -55.719,69.122 cw(c-52.643,66.038) -52.927,70.385 ccw(c-52.945,70.638) -52.925,70.385 cw(c-52.705,67.738) -52.705,70.394 -51.508,70.394 ccw(c-51.508,72.48) -50.032,71.006 -49.072,71.966 cw(c-46.954,69.85) -46.954,72.844 -41.447,72.844 ccw(c-41.447,73.098) -41.384,72.852 cw(c-40.875,70.865) -40.366,72.852 ccw(c-40.303,73.098) -40.303,72.844 -40.005,72.844 -38.608,72.844 cw(c-38.608,71.12) -37.271,72.209 ccw(c-37.074,72.369) -37.074,72.115 S216.1@-34.575,72.115
  Bottom Layer w0.254: S216.1@-34.575,72.115 S216.1@-34.575,72.283
NetD217_1: D217.1 S217.1 | length 131.3
  Component Side w0.254: D217.1@-183.769,60.635 cw(c-182.422,60.635) -182.422,61.982 -67.183,61.982 ccw(c-67.183,64.522) -64.643,64.522 -64.643,68.325 cw(c-62.103,68.325) -62.103,70.865 S217.1@-59.925,70.865
NetD218_1: D218.1 S218.1 | length 115.4
  Component Side w0.254: D218.1@-186.055,60.635 cw(c-184.254,60.635) -184.254,62.436 -81.515,62.436 ccw(c-81.515,64.976) -78.975,64.976 S218.1@-78.975,70.865
NetD219_1: D219.1 S219.1 | length 98.6
  Component Side w0.254: D219.1@-188.468,60.635 cw(c-186.213,60.635) -186.213,62.89 -100.565,62.89 ccw(c-100.565,65.43) -98.025,65.43 S219.1@-98.025,70.865
NetD220_1: D220.1 S220.1 | length 81.9
  Component Side w0.254: D220.1@-190.881,60.635 -190.881,60.804 cw(c-188.341,60.804) -188.341,63.344 -119.615,63.344 ccw(c-119.615,65.884) -117.075,65.884 S220.1@-117.075,70.865
NetD221_1: D221.1 S221.1 | length 64.8
  Component Side w0.254: D221.1@-193.294,60.635 -193.294,61.258 cw(c-190.754,61.258) -190.754,63.798 -138.665,63.798 ccw(c-138.665,66.338) -136.125,66.338 S221.1@-136.125,70.411
NetD222_1: D222.1 S222.1 | length 48.8
  Component Side w0.254: D222.1@-195.707,60.635 -195.707,66.274 cw(c-193.167,66.274) -193.167,68.814 -157.226,68.814 ccw(c-157.226,70.865) -156.008,69.215 ccw(c-157.226,70.865) S222.1@-155.175,70.865
NetD223_1: D223.1 S223.1 | length 33.6
  Component Side w0.254: D223.1@-198.12,60.635 -198.12,66.728 cw(c-195.58,66.728) -195.58,69.268 -193.295,69.268 ; -193.293,69.268 ccw(c-193.275,70.865) -193.258,69.268 cw(c-193.256,69.014) -193.257,69.268 cw(c-193.256,69.014) -193.254,69.268 -175.822,69.268 ccw(c-175.822,70.865) S223.1@-174.225,70.865 cw(c-175.748,70.865) S223.1@-174.728,69.734
NetD224_1: D224.1 S224.1 | length 16.4
  Component Side w0.254: D224.1@-200.533,60.635 -200.533,68.325 cw(c-197.993,68.325) -197.993,70.865 S224.1@-193.275,70.865
NetD225_1: D225.1 S225.1 | length 13.5
  Component Side w0.254: S225.1@-206.025,72.115 -205.486,72.115 cw(c-205.486,69.575) -202.946,69.575 D225.1@-202.946,60.635
NetD226_1: D226.1 S226.1 | length 28.5
  Component Side w0.254: S226.1@-225.075,72.115 -225.075,71.755 ccw(c-222.535,71.755) -222.535,69.215 -208.661,69.215 cw(c-208.661,66.675) -206.121,66.675 -206.121,65.69 ccw(c-204.82,65.69) -205.74,64.77 cw(c-206.66,63.85) -205.359,63.85 D226.1@-205.359,60.635
NetD227_1: D227.1 S227.1 | length 58.7
  Component Side w0.254: S227.1@-255.187,70.865 -253.736,70.865 ccw(c-253.736,73.405) -251.94,71.609 -250.396,73.152 cw(c-248.6,71.356) -248.6,73.896 -245.906,73.896 cw(c-245.906,72.115) S227.1@-244.125,72.115 -243.929,71.92 -243.929,71.301 ccw(c-241.389,71.301) -241.389,68.761 -210.312,68.761 cw(c-210.312,66.221) -207.772,66.221 D227.1@-207.772,60.635
NetD228_1: D228.1 S228.1 | length 65.7
  Component Side w0.254: S228.1@-267.938,72.115 -260.746,72.115 cw(c-260.746,69.575) -258.95,71.371 -256.63,69.051 ccw(c-254.834,70.847) -254.834,68.307 -212.725,68.307 cw(c-212.725,65.767) -210.185,65.767 D228.1@-210.185,60.635
NetD229_1: D229.1 S229.1 | length 80.7
  Component Side w0.254: D229.1@-79.375,45.635 -79.375,46.609 cw(c-77.216,46.609) -77.216,48.768 cw(c-77.181,48.768) -77.181,48.803 -73.296,48.803 cw(c-73.296,46.717) -71.82,48.191 -71.314,47.685 -67.426,43.797 ccw(c-65.63,45.593) -65.63,43.053 -36.638,43.053 cw(c-36.639,42.799) -36.426,42.937 ccw(c-33.909,44.559) -33.909,41.565 S229.1@-14.681,41.565
  Bottom Layer w0.254: S229.1@-17.062,51.815 -15.425,50.178 cw(c-17.221,48.382) -14.681,48.382 S229.1@-14.681,41.565
NetD230_1: D230.1 S230.1 | length 55.6
  Component Side w0.254: D230.1@-81.788,45.635 -81.788,46.717 cw(c-79.248,46.717) -79.248,49.257 -73.296,49.257 cw(c-73.296,46.717) -71.5,48.513 -68.326,45.339 -67.105,44.118 ccw(c-65.63,45.593) -65.63,43.507 -41.878,43.507 ccw(c-41.878,46.047) -39.338,46.047 S230.1@-39.338,53.065
NetD231_1: D231.1 S231.1 | length 26.8
  Component Side w0.254: D231.1@-87.757,45.635 -87.757,47.171 cw(c-85.217,47.171) -85.217,49.711 -66.791,49.711 ccw(c-66.791,51.815) S231.1@-64.736,51.364
NetD232_1: D232.1 S232.1 | length 10.4
  Component Side w0.254: D232.1@-90.17,45.635 -90.17,47.625 cw(c-87.63,47.625) -87.63,50.165 -85.388,50.165 ccw(c-85.388,51.815) S232.1@-83.8,51.365
NetD233_1: D233.1 S233.1 | length 10.2
  Component Side w0.254: S233.1@-96.488,53.065 -95.123,53.065 cw(c-95.123,50.525) -92.583,50.525 D233.1@-92.583,45.635
NetD234_1: D234.1 S234.1 | length 73.6
  Component Side w0.254: D234.1@-182.88,45.635 -182.88,46.778 cw(c-180.34,46.778) -180.34,49.318 -180.317,49.318 cw(c-180.317,49.064) -180.315,49.318 -179.002,49.31 ccw(c-178.987,51.815) -178.987,49.31 -167.26,49.318 cw(c-167.259,49.064) -167.259,49.318 -159.542,49.318 cw(c-159.542,47.232) -158.543,49.063 cw(c-159.542,47.232) -158.065,48.705 -157.167,47.807 -156.725,47.364 -152.923,43.563 ccw(c-151.127,45.359) -151.127,42.819 -124.377,42.819 ccw(c-124.377,45.359) -121.837,45.359 S234.1@-121.837,51.361
NetD235_1: D235.1 S235.1 | length 56.9
  Component Side w0.254: D235.1@-185.293,45.635 -185.293,47.232 cw(c-182.753,47.232) -182.753,49.772 -180.467,49.772 -178.999,49.764 ccw(c-178.987,51.815) -178.986,49.764 -167.259,49.772 -159.542,49.772 cw(c-159.542,47.232) -157.746,49.028 -153.546,44.828 -152.6,43.882 ccw(c-151.127,45.359) -152.278,43.619 ccw(c-151.127,45.359) -151.127,43.273 -143.427,43.273 ccw(c-143.427,45.813) -140.887,45.813 S235.1@-140.887,51.361
NetD236_1: D236.1 S236.1 | length 31.9
  Component Side w0.254: D236.1@-187.706,45.635 -187.706,46.917 -187.706,47.691 cw(c-185.166,47.691) -185.166,50.231 -179.206,50.231 cw(c-179.205,49.977) -179.176,50.229 ; -179.175,50.229 ccw(c-178.987,51.815) -178.785,50.231 -161.113,50.231 ccw(c-161.113,51.363) -160.27,50.608 ccw(c-161.113,51.363) S236.1@-159.981,51.363
NetD237_1: D237.1 S237.1 | length 17.9
  Component Side w0.254: D237.1@-192.532,45.635 -192.532,48.145 cw(c-189.992,48.145) -189.992,50.685 -181.17,50.685 ccw(c-181.17,53.225) -179.374,51.429 S237.1@-178.987,51.815
NetD238_1: D238.1 S238.1 | length 8.2
  Component Side w0.254: S238.1@-198.037,51.815 -197.485,51.815 cw(c-197.485,49.275) -194.945,49.275 D238.1@-194.945,45.635
NetD239_1: D239.1 S239.1 | length 21.8
  Component Side w0.254: S239.1@-210.788,53.065 S239.1@-210.788,52.397 ; -209.287,49.879 cw(c-208.248,52.197) -210.788,52.197 S239.1@-210.788,52.397 ; D239.1@-197.358,45.635 -197.358,47.317 ccw(c-199.898,47.317) -199.898,49.857 -208.248,49.857 cw(c-208.248,52.397) S239.1@-210.788,52.397
NetD240_1: D240.1 S240.1 | length 33
  Component Side w0.254: S240.1@-229.838,53.065 -229.838,51.943 ccw(c-227.298,51.943) -227.298,49.403 -204.597,49.403 cw(c-204.597,46.863) -202.057,46.863 D240.1@-202.057,45.635
NetD241_1: D241.1 S241.1 | length 49.7
  Component Side w0.254: S241.1@-248.888,53.065 -248.888,51.489 ccw(c-246.348,51.489) -246.348,48.949 -207.01,48.949 cw(c-207.01,46.409) -204.47,46.409 D241.1@-204.47,45.635
NetD242_1: D242.1 S242.1 | length 73.3
  Component Side w0.254: S242.1@-260.8,53.065 -260.8,46.974 ccw(c-259.461,46.974) -259.461,45.635 D242.1@-206.883,45.635
  Bottom Layer w0.254: S242.1@-269.586,60.601 S242.1@-268.98,59.995 ; S242.1@-266.599,59.995 -263.34,59.995 cw(c-263.34,57.455) -260.8,57.455 S242.1@-260.8,53.065
NetD243_1: D243.1 S243.1 | length 132.7
  Component Side w0.254: D243.1@-127.635,22.635 cw(c-125.759,22.635) -125.759,24.511 -42.472,24.511 ccw(c-42.472,27.432) -39.795,26.264 cw(c-39.562,26.162) -39.561,26.416 -28.205,26.416 cw(c-28.205,24.015) -25.803,24.015 -25.803,22.515 ccw(c-24.206,22.515) -25.336,21.386 ; -25.335,21.385 ccw(c-24.206,22.515) -24.206,20.918 -20.446,20.918 ccw(c-20.446,23.458) -17.906,23.458 S243.1@-17.906,23.765
  Bottom Layer w0.254: S243.1@-15.525,34.015 ccw(c-15.525,31.634) -17.906,31.634 S243.1@-17.906,23.765 -15.931,23.765 cw(c-15.931,22.515) S243.1@-14.681,22.515
NetD244_1: D244.1 S244.1 | length 121.2
  Component Side w0.254: D244.1@-130.048,22.635 cw(c-127.718,22.635) -127.718,24.965 -42.472,24.965 ccw(c-42.472,27.432) -40.005,27.432 -40.005,28.384 cw(c-38.163,28.384) -38.163,30.226 -29.971,30.226 ccw(c-29.971,32.766) -27.496,32.194 ccw(c-29.971,32.766) -27.431,32.766 S244.1@-27.431,34.015
  Bottom Layer w0.254: S244.1@-29.812,23.765 -29.812,30.582 cw(c-27.272,30.582) -29.068,32.378 S244.1@-27.431,34.015
NetD245_1: D245.1 S245.1 | length 90.3
  Component Side w0.254: D245.1@-132.715,22.635 -132.715,22.879 cw(c-130.175,22.879) -130.175,25.419 -52.94,25.419 ccw(c-52.94,27.959) -50.4,27.959 S245.1@-50.4,32.765
NetD246_1: D246.1 S246.1 | length 73.6
  Component Side w0.254: D246.1@-135.128,22.635 -135.128,23.333 cw(c-132.588,23.333) -132.588,25.873 -71.99,25.873 ccw(c-71.99,28.413) -69.45,28.413 S246.1@-69.45,32.765
NetD247_1: D247.1 S247.1 | length 57.5
  Component Side w0.254: D247.1@-137.541,22.635 ccw(c-137.541,23.524) -136.652,23.524 -136.652,27.667 cw(c-134.112,27.667) -134.112,30.207 -91.04,30.207 ccw(c-91.04,32.747) -88.5,32.747 S247.1@-88.5,32.765 S247.1@-88.901,32.765 ; S247.1@-87.309,34.362 S247.1@-86.962,34.015
NetD248_1: D248.1 S248.1 | length 40.8
  Component Side w0.254: D248.1@-139.954,22.635 -139.954,28.121 cw(c-137.414,28.121) -137.414,30.661 -109.654,30.661 ccw(c-109.654,32.765) S248.1@-107.55,32.765 ; S248.1@-106.23,34.232 S248.1@-106.012,34.015
NetD249_1: D249.1 S249.1 | length 29.3
  Component Side w0.254: D249.1@-142.363,22.635 -142.363,24.09 ccw(c-144.903,24.09) -143.107,25.886 -143.528,26.307 cw(c-141.732,28.103) -144.272,28.103 -144.272,29.029 cw(c-141.732,29.029) -141.732,31.569 -137.087,31.569 -134.874,31.569 -134.156,31.569 ; -134.155,31.569 ccw(c-134.156,32.766) -132.959,32.766 cw(c-131.362,32.765) -132.51,33.875 cw(c-131.362,32.765) -132.293,34.063 cw(c-131.362,32.765) -130.431,34.063 ccw(c-130.283,34.269) -130.283,34.015 -126.6,34.015 S249.1@-125.062,34.015
NetD250_1: D250.1 S250.1 | length 11.8
  Component Side w0.254: S250.1@-145.65,32.765 -145.65,23.567 ccw(c-144.718,23.567) D250.1@-144.718,22.635 ; S250.1@-144.112,32.915 S250.1@-144.112,34.015
NetD251_1: D251.1 S251.1 | length 24.6
  Component Side w0.254: S251.1@-164.7,32.765 S251.1@-163.957,32.022 ; S251.1@-163.162,34.015 ccw(c-160.716,34.015) -160.716,31.569 -152.527,31.569 cw(c-152.527,29.029) -150.068,29.665 cw(c-150.314,29.602) -150.06,29.601 -150.06,26.616 ccw(c-147.52,26.616) -149.316,24.82 D251.1@-147.131,22.635
NetD252_1: D252.1 S252.1 | length 12.6
  Component Side w0.254: D252.1@-185.231,22.635 ccw(c-185.231,24.117) -183.749,24.117 S252.1@-183.749,32.765 cw(c-183.749,33.547) S252.1@-184.531,33.547 ; S252.1@-182.212,33.655 S252.1@-182.212,34.015
NetD253_1: D253.1 S253.1 | length 23.9
  Component Side w0.254: S253.1@-202.8,32.765 S253.1@-202.057,32.022 ; S253.1@-201.262,34.015 -201.262,33.201 ccw(c-198.795,33.201) -198.795,30.734 -190.184,30.734 cw(c-190.184,28.194) -187.644,28.194 D253.1@-187.644,22.635
NetD254_1: D254.1 S254.1 | length 39.8
  Component Side w0.254: S254.1@-221.85,32.765 -221.85,29.337 ccw(c-219.31,29.337) -219.947,26.878 ccw(c-219.883,27.124) -219.883,26.87 -215.646,26.87 -192.597,26.87 cw(c-192.597,24.33) -190.057,24.33 D254.1@-190.057,22.635
NetD255_1: D255.1 S255.1 | length 78.9
  Component Side w0.254: S255.1@-244.984,32.765 S255.1@-245.662,32.765 ccw(c-243.831,32.765) -243.831,30.934 -237.14,30.934 ccw(c-237.14,33.474) -234.6,33.474 S255.1@-234.6,34.015 -233.299,34.015 cw(c-233.299,31.475) -230.759,31.475 -230.759,27.371 ccw(c-229.804,27.371) -230.7,27.04 ccw(c-229.804,27.371) -229.804,26.416 -195.01,26.416 cw(c-195.01,23.876) -192.47,23.876 D255.1@-192.47,22.635
  Bottom Layer w0.254: S255.1@-234.6,34.015 ccw(c-234.726,34.015) -234.636,34.103 -231.757,31.224 cw(c-233.553,29.428) -231.478,30.893 cw(c-233.553,29.428) -231.013,29.428 -231.013,28.374 ccw(c-228.473,28.374) -230.269,26.578 S255.1@-227.456,23.765
NetD256_1: D256.1 S256.1 | length 81
  Component Side w0.254: S256.1@-250.424,22.515 -250.424,27.94 cw(c-247.884,27.94) -247.884,30.48 -232.991,30.48 cw(c-232.991,28.702) -231.213,28.702 -231.213,27.371 ccw(c-229.804,27.371) -229.804,25.962 -197.423,25.962 cw(c-197.423,23.422) -194.883,23.422 D256.1@-194.883,22.635
  Bottom Layer w0.254: S256.1@-259.949,32.765 -259.949,30.711 ccw(c-257.409,30.711) -259.205,28.915 S256.1@-252.805,22.515 S256.1@-252.705,22.515
NetD257_1: D257.1 S257.1 | length 67.1
  Component Side w0.254: D257.1@-42.799,18.365 -36.4,24.764 cw(c-34.604,22.968) -36.177,24.962 cw(c-34.604,22.968) -34.604,25.508 -28.205,25.508 cw(c-28.205,24.015) -26.725,24.215 cw(c-28.205,24.015) -26.711,24.015 -26.711,22.515 ccw(c-24.206,22.515) -25.978,20.744 ccw(c-24.206,22.515) -24.206,20.01 -19.602,20.01 cw(c-19.602,17.47) -17.062,17.47 S257.1@-17.062,13.715 ; S257.1@-12.3,3.465 S257.1@-11.557,4.208
  Bottom Layer w0.254: S257.1@-14.681,13.715 ccw(c-12.777,13.715) -12.777,11.811 -4.826,11.811 cw(c-4.826,9.271) -2.286,9.271 -2.286,9.144 cw(c-4.318,9.144) -4.318,7.112 -9.695,7.112 ccw(c-9.695,4.572) -11.491,6.368 S257.1@-13.144,4.715 ; S257.1@-12.3,3.465 S257.1@-11.953,3.118
NetD258_1: D258.1 S258.1 | length 30.9
  Component Side w0.254: D258.1@-45.212,18.365 -44.609,17.762 ccw(c-42.813,19.558) -42.813,17.018 -37.68,17.018 cw(c-37.68,14.478) -35.884,16.274 S258.1@-34.575,14.965
  Bottom Layer w0.254: S258.1@-34.575,13.812 S258.1@-34.575,14.965 ccw(c-34.575,12.584) -36.956,12.584 S258.1@-36.956,4.715 -32.599,4.715 cw(c-32.599,3.465) S258.1@-31.349,3.465
NetD259_1: D259.1 S259.1 | length 5.8
  Component Side w0.254: D259.1@-47.625,18.365 -47.625,17.505 ccw(c-45.085,17.505) -45.085,14.965 S259.1@-44.1,14.965
NetD260_1: D260.1 S260.1 | length 43.3
  Component Side w0.254: S260.1@-69.632,3.465 S260.1@-69.449,3.465 ; S260.1@-58.387,14.965 S260.1@-58.387,15.024 ; S260.1@-56.006,14.965 -52.578,14.965 ccw(c-52.578,17.505) -50.038,17.505 D260.1@-50.038,18.365
  Bottom Layer w0.254: S260.1@-69.449,3.465 -66.927,5.987 cw(c-65.131,4.191) -66.747,6.151 cw(c-65.131,4.191) -65.131,6.731 -56.693,6.731 cw(c-56.693,4.191) -55.295,6.312 cw(c-56.693,4.191) -54.897,5.987 S260.1@-53.625,4.715 -52.451,4.715 ccw(c-52.451,7.255) -49.911,7.255 -49.911,9.144 ccw(c-51.677,9.144) -50.428,10.393 -50.944,10.909 ccw(c-52.959,9.362) -51.163,11.158 -54.238,14.233 ccw(c-56.006,12.464) S260.1@-56.006,14.965 ; S260.1@-59.182,14.17 S260.1@-58.387,14.965